# KiCad board Control_Unit.kicad_pcb
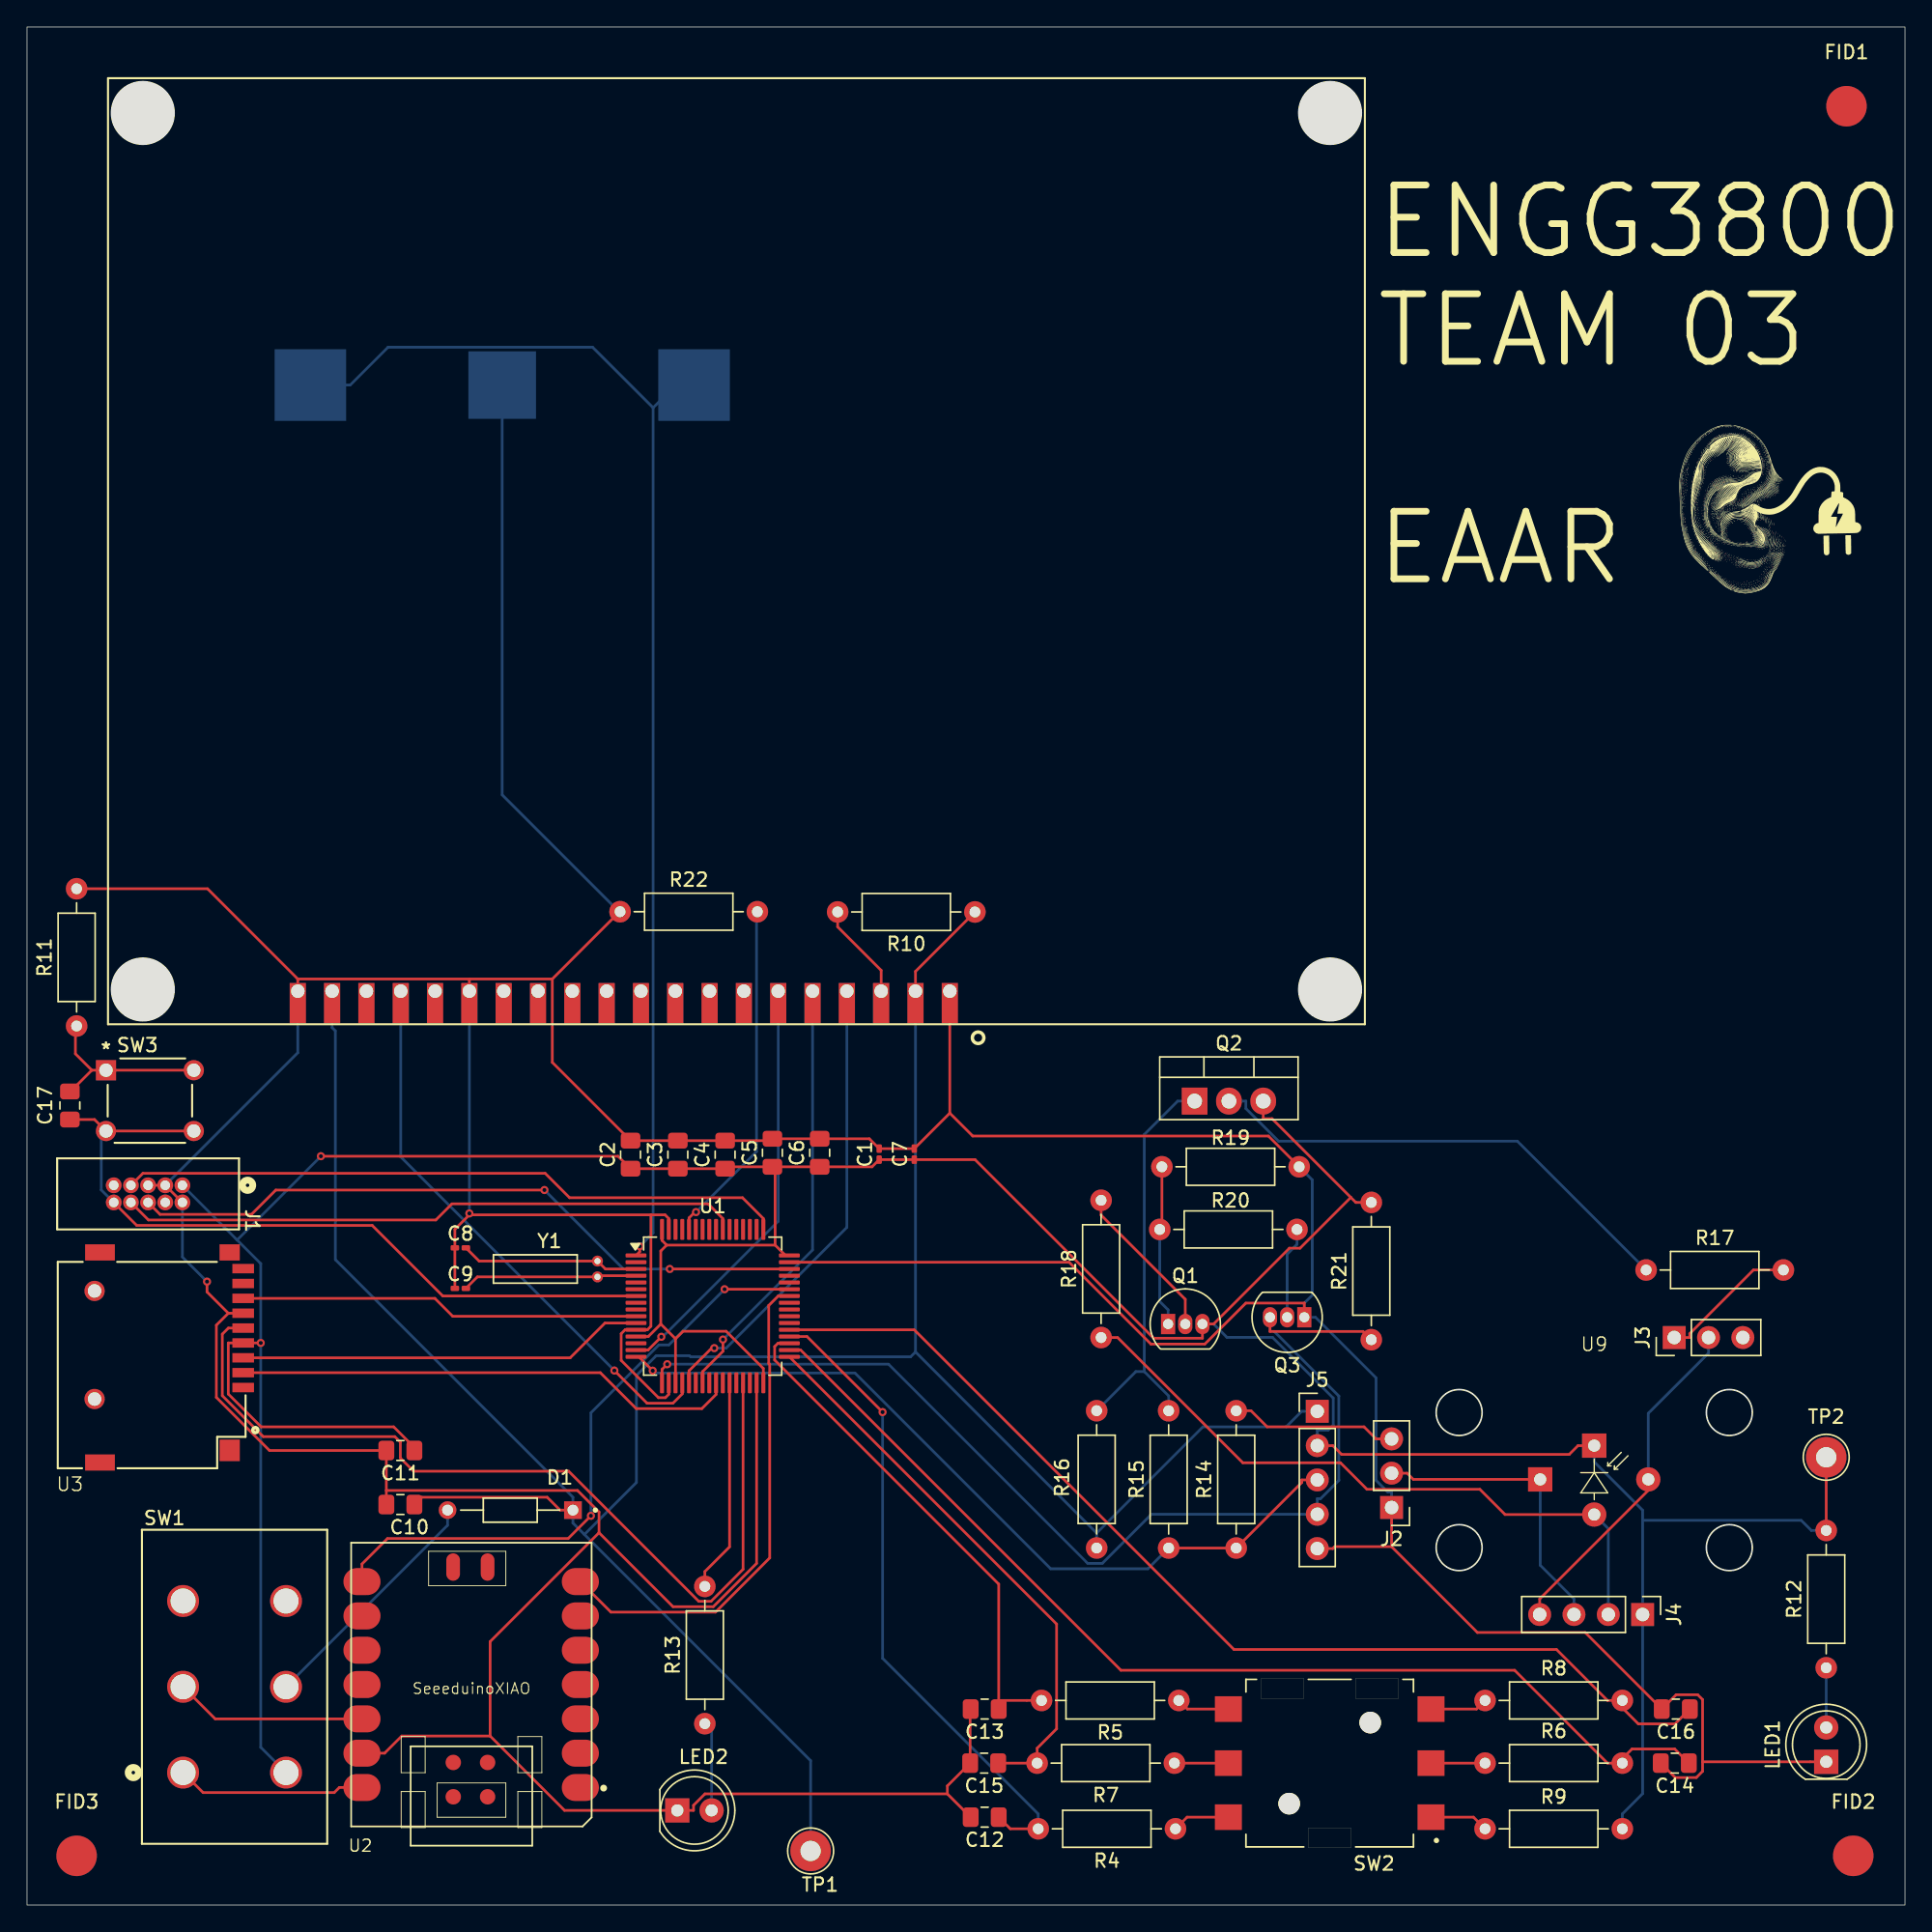
[diagram p0: board, top side]
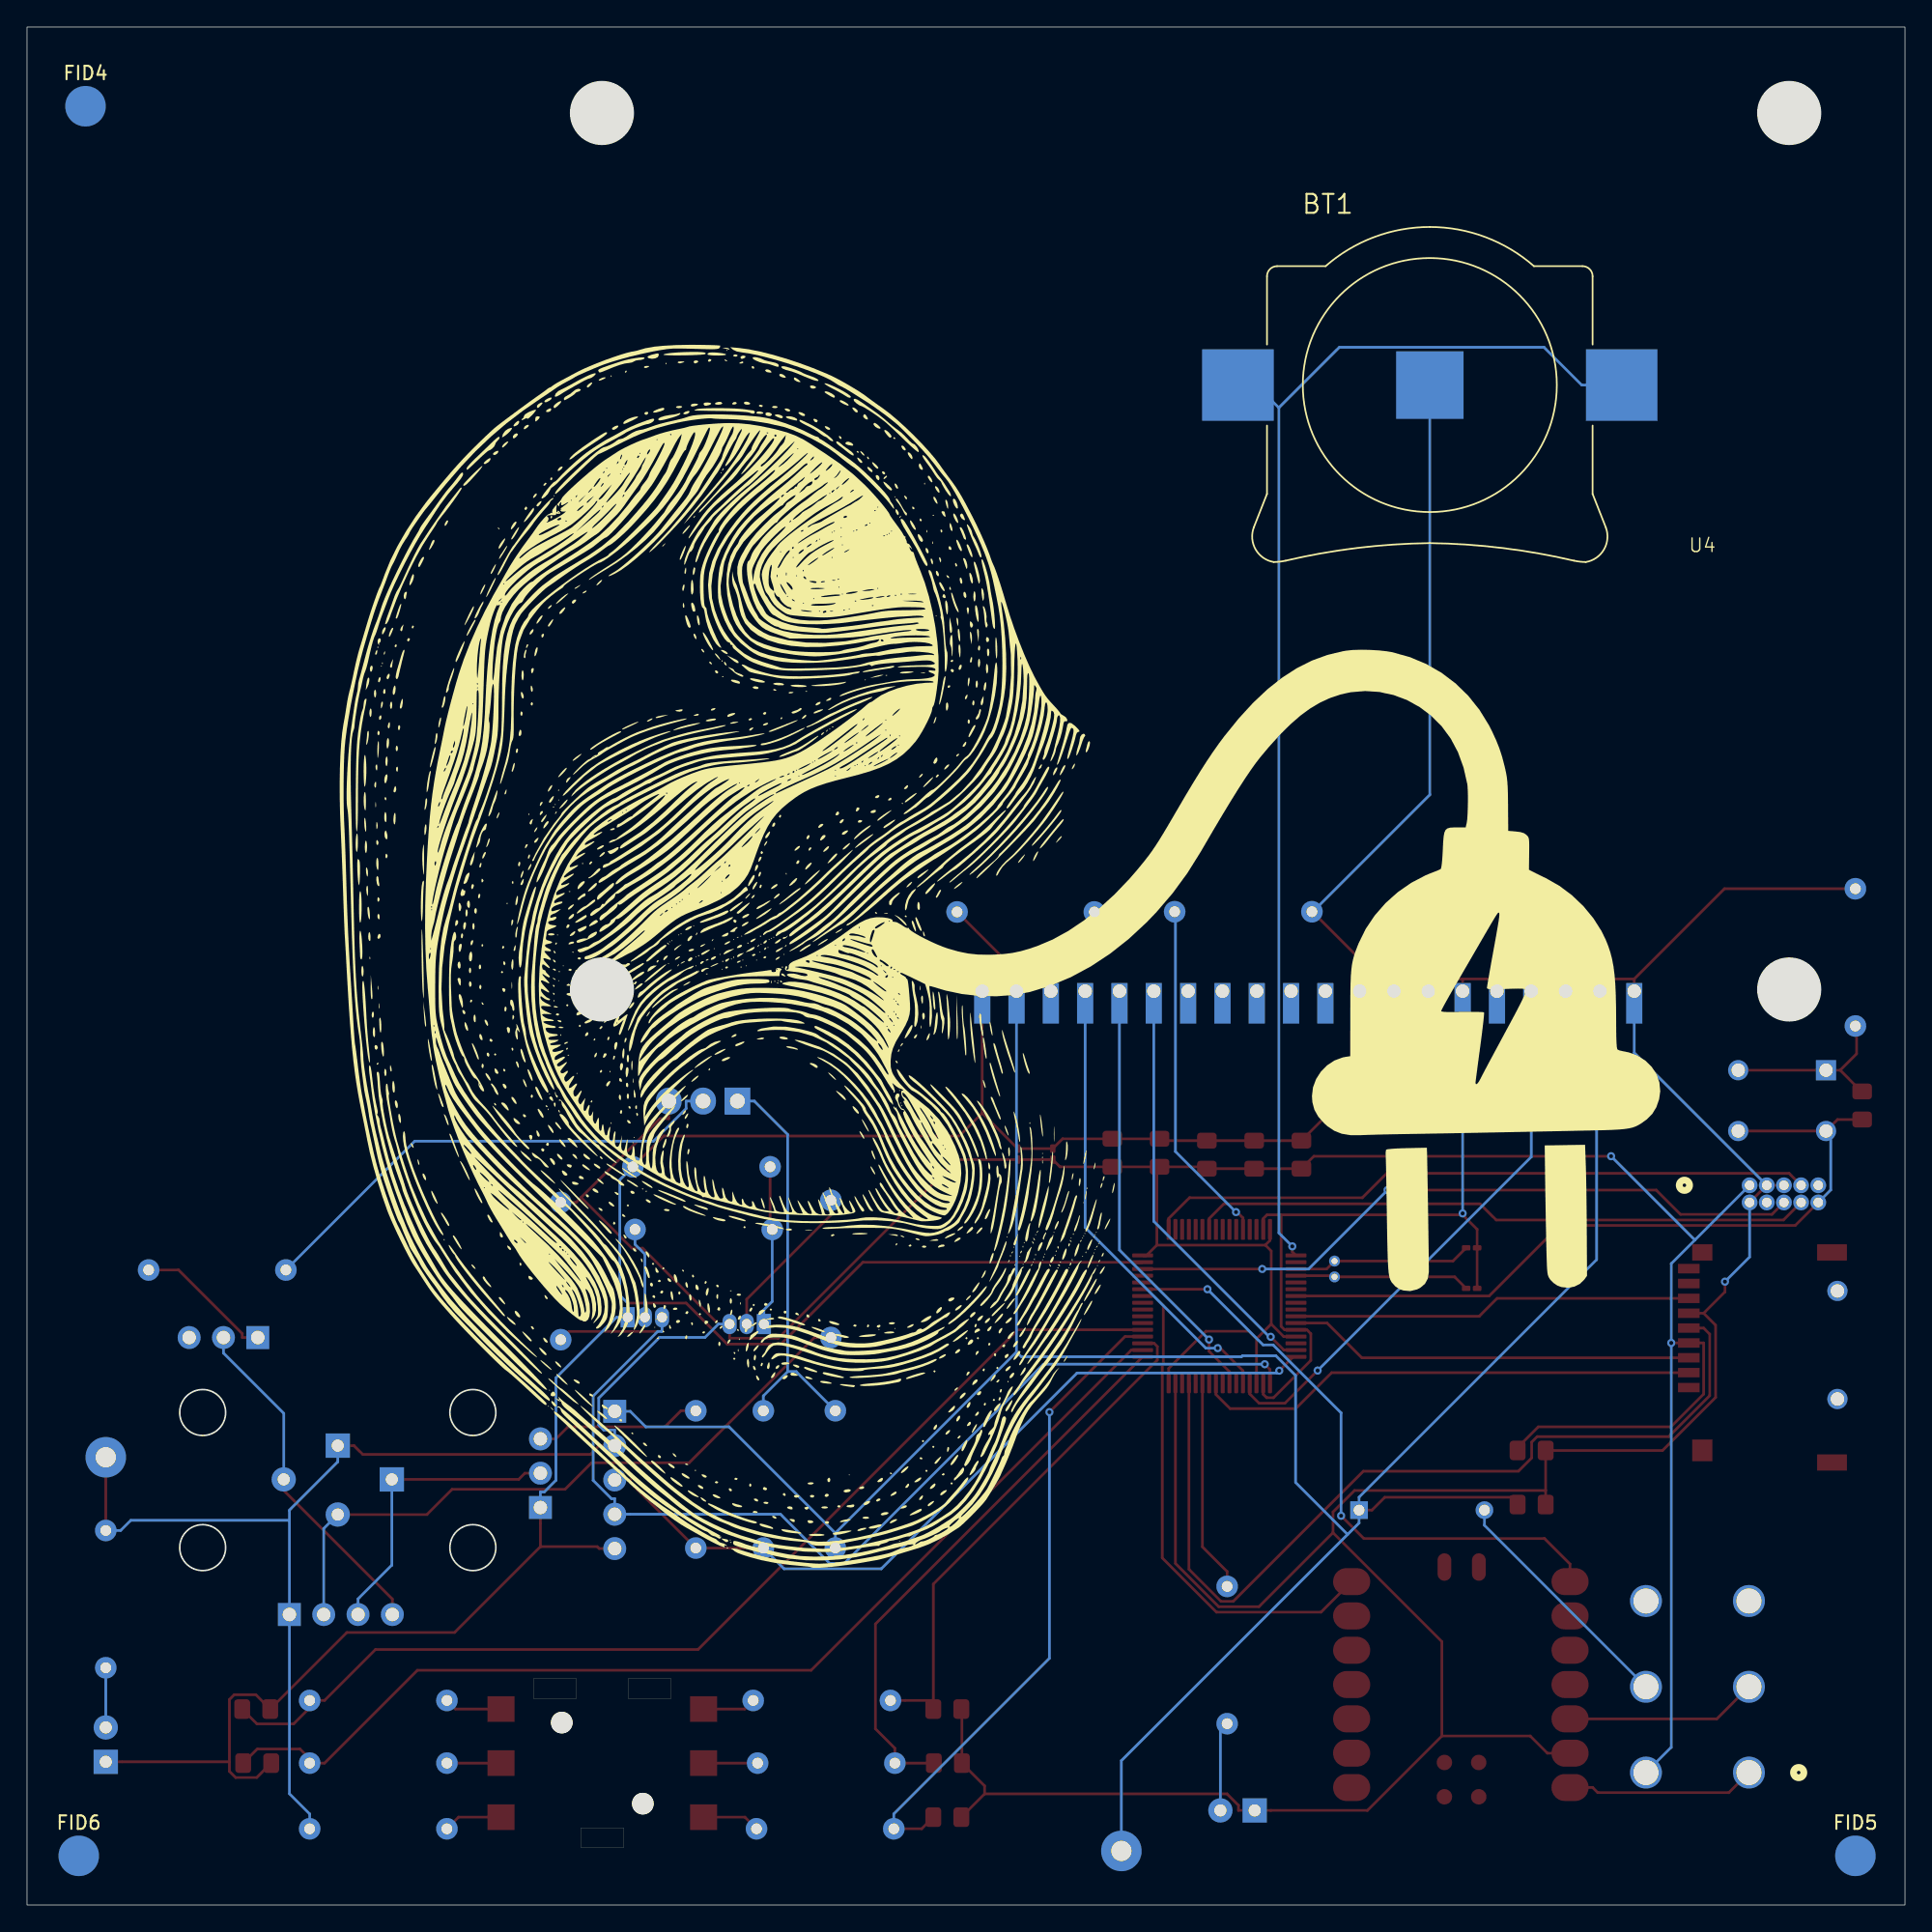
[diagram p1: board, bottom side, seen from below]

Outline 139 x 139 mm; copper layers: Top, Bottom. Coordinates in mm from the lower left corner of the outline.
Outline path: rectangle 0,139 139,0
Stack: Top 0.035mm / dielectric 1.51mm FR4 er 4.5 / Bottom 0.035mm

## Placement (name value [footprint] x y rotation side)
BT1  BHX1-2032-SM  [BAT_BHX1-2032-SM]  35.17 112.5 180 bottom
C1  4.7u 10% 10V X5R  [C_0201_0603Metric_Pad0.64x0.40mm_HandSolder]  63.08 55.57 90 top
C2  100n  [C_0805_2012Metric_Pad1.18x1.45mm_HandSolder]  44.67 55.54 90 top
C3  100n  [C_0805_2012Metric_Pad1.18x1.45mm_HandSolder]  48.17 55.54 90 top
C4  100n  [C_0805_2012Metric_Pad1.18x1.45mm_HandSolder]  51.67 55.54 90 top
C5  100n  [C_0805_2012Metric_Pad1.18x1.45mm_HandSolder]  55.17 55.68 90 top
C6  100n  [C_0805_2012Metric_Pad1.18x1.45mm_HandSolder]  58.67 55.68 90 top
C7  1UF  [C_0201_0603Metric_Pad0.64x0.40mm_HandSolder]  65.67 55.57 90 top
C8  1UF  [C_0201_0603Metric_Pad0.64x0.40mm_HandSolder]  32.08 48.64 0 top
C9  1UF  [C_0201_0603Metric_Pad0.64x0.40mm_HandSolder]  32.08 45.64 0 top
C10  10u  [C_0805_2012Metric_Pad1.18x1.45mm_HandSolder]  27.63 29.64 180 top
C11  10u  [C_0805_2012Metric_Pad1.18x1.45mm_HandSolder]  27.63 33.64 180 top
C12  100n  [C_0805_2012Metric_Pad1.18x1.45mm_HandSolder]  70.88 6.5 180 top
C13  100n  [C_0805_2012Metric_Pad1.18x1.45mm_HandSolder]  70.88 14.5 180 top
C14  100n  [C_0805_2012Metric_Pad1.18x1.45mm_HandSolder]  121.96 10.5 180 top
C15  100n  [C_0805_2012Metric_Pad1.18x1.45mm_HandSolder]  70.85 10.5 180 top
C16  100n  [C_0805_2012Metric_Pad1.18x1.45mm_HandSolder]  122.04 14.5 180 top
C17  100n  [C_0805_2012Metric_Pad1.18x1.45mm_HandSolder]  3.17 59.18 270 top
D1  7.5V 500mW 5%  [DIOAD928W47L399D179]  35.77 29.23 180 top
FID1  Fiducial  [Fiducial_3mm_Mask6mm_custom_reuben]  134.67 133.14 0 top
FID2  Fiducial  [Fiducial_3mm_Mask6mm_custom_reuben]  135.17 3.64 0 top
FID3  Fiducial  [Fiducial_3mm_Mask6mm_custom_reuben]  3.67 3.64 0 top
FID4  Fiducial  [Fiducial_3mm_Mask6mm_custom_reuben]  134.67 133.14 180 bottom
FID5  Fiducial  [Fiducial_3mm_Mask6mm_custom_reuben]  3.67 3.64 180 bottom
FID6  Fiducial  [Fiducial_3mm_Mask6mm_custom_reuben]  135.17 3.64 180 bottom
G***  LOGO  [EAAR-LOGO-SMALL]  128.78 103.36 0 top
G***#2  LOGO  [EAAR-LOGO]  68.79 70.57 180 bottom
J1  ETSG: 07-20-01  [CONN_3220-10-0100-00_CNC]  11.5 53.27 180 top
J2  Conn_01x03_Pin  [PinHeader_1x03_P2.54mm_Vertical]  101 29.42 180 top
J3  Conn_01x03_Pin  [PinHeader_1x03_P2.54mm_Vertical]  121.92 42 90 top
J4  Conn_01x04_Pin  [PinHeader_1x04_P2.54mm_Vertical]  119.58 21.5 270 top
J5  Conn_01x05_Pin  [PinHeader_1x05_P2.54mm_Vertical]  95.5 36.54 0 top
LED1  BLUE  [LED_D5.0mm_Clear]  133.17 10.6 90 top
LED2  GREEN  [LED_D5.0mm_Clear]  48.13 7 0 top
Q1  2N3904  [TO-92_Inline]  84.46 43 0 top
Q2  IRF9540N  [TO-220-3_Vertical]  86.42 59.5 0 top
Q3  2N3904  [TO-92_Inline]  94.54 43.5 180 top
R4  1K /0W125 / 100R / 0.125 Watt / 1%  [R_Axial_DIN0207_L6.3mm_D2.5mm_P10.16mm_Horizontal]  85.01 5.64 180 top
R5  1K /0W125 / 100R / 0.125 Watt / 1%  [R_Axial_DIN0207_L6.3mm_D2.5mm_P10.16mm_Horizontal]  85.25 15.14 180 top
R6  1K /0W125 / 100R / 0.125 Watt / 1%  [R_Axial_DIN0207_L6.3mm_D2.5mm_P10.16mm_Horizontal]  107.92 10.5 0 top
R7  1K /0W125 / 100R / 0.125 Watt / 1%  [R_Axial_DIN0207_L6.3mm_D2.5mm_P10.16mm_Horizontal]  84.92 10.5 180 top
R8  1K /0W125 / 100R / 0.125 Watt / 1%  [R_Axial_DIN0207_L6.3mm_D2.5mm_P10.16mm_Horizontal]  107.92 15.14 0 top
R9  100R /0W125 / 100R / 0.125 Watt / 1%  [R_Axial_DIN0207_L6.3mm_D2.5mm_P10.16mm_Horizontal]  107.92 5.64 0 top
R10  1.2K  [R_Axial_DIN0207_L6.3mm_D2.5mm_P10.16mm_Horizontal]  70.16 73.5 180 top
R11  1K 1% 0W125 100R  [R_Axial_DIN0207_L6.3mm_D2.5mm_P10.16mm_Horizontal]  3.67 65.06 90 top
R12  20R 1% 0.100W  [R_Axial_DIN0207_L6.3mm_D2.5mm_P10.16mm_Horizontal]  133.17 17.56 90 top
R13  62R 5% 0.100W  [R_Axial_DIN0207_L6.3mm_D2.5mm_P10.16mm_Horizontal]  50.17 13.42 90 top
R14  15R  [R_Axial_DIN0207_L6.3mm_D2.5mm_P10.16mm_Horizontal]  89.5 26.42 90 top
R15  100R  [R_Axial_DIN0207_L6.3mm_D2.5mm_P10.16mm_Horizontal]  84.5 26.42 90 top
R16  10K  [R_Axial_DIN0207_L6.3mm_D2.5mm_P10.16mm_Horizontal]  79.17 36.58 270 top
R17  15R  [R_Axial_DIN0207_L6.3mm_D2.5mm_P10.16mm_Horizontal]  119.84 47 0 top
R18  1K  [R_Axial_DIN0207_L6.3mm_D2.5mm_P10.16mm_Horizontal]  79.5 42 90 top
R19  1K  [R_Axial_DIN0207_L6.3mm_D2.5mm_P10.16mm_Horizontal]  94.16 54.64 180 top
R20  100  [R_Axial_DIN0207_L6.3mm_D2.5mm_P10.16mm_Horizontal]  83.84 50 0 top
R21  1K  [R_Axial_DIN0207_L6.3mm_D2.5mm_P10.16mm_Horizontal]  99.5 41.84 90 top
R22  10K  [R_Axial_DIN0207_L6.3mm_D2.5mm_P10.16mm_Horizontal]  43.9 73.52 0 top
SW1  S201031MS02Q  [SW6_S201031MS02Q_CNK]  11.55 9.8 180 top
SW2  JS5208  [SW_JS5208]  96.42 10.5 180 top
SW3  1825910-6  [SW4_1825910-B_TEC]  12.34 57.29 0 top
TP1  TestPoint  [TestPoint_Loop_D2.54mm_Drill1.5mm_Beaded]  58 4 0 top
TP2  TestPoint  [TestPoint_Loop_D2.54mm_Drill1.5mm_Beaded]  133.17 33.14 0 top
U1  STM32L431RCT6  [LQFP-64_10x10mm_P0.5mm]  50.75 44.32 0 top
U2  SeeeduinoXIAO  [Seeeduino XIAO-MOUDLE14P-2.54-21X17.8MM]  41.79 26.81 180 top
U3  ~  [SD_Card]  9.5 40 270 top
U4  ~  [LCD]  51.17 100.14 0 top
U9  ~  [OPTIC3800T3]  116 41.5 0 top
Y1  AB26T-32.768KHZ  [XTAL_AB26T-32.768KHZ]  42.22 47.07 0 top

## Library data of the parts
BT1 = -: PARTREV: L; STANDARD: Manufacturer Recommendations; MAXIMUM_PACKAGE_HEIGHT: 4.32 mm; MANUFACTURER: MPD
C1 = -: Description: 4.7u; Field5: 10%; Field6: 10V; Field7: X5R; ki_fp_filters: C_*
C2-C6 C12-C16 = -: Description: ETSG: 64-04-12; Field6: 10%; Field7: 50V; Field8: X7R; ki_fp_filters: C_*
C7 = -: Description: 1uF; Field5: 10%; Field6: 50V; Field7: X7R; ki_fp_filters: C_*
C8 C9 = -: Description: 1uF /10% /50V /X7R; ki_fp_filters: C_*
C10 C11 = -: Description: Unpolarized capacitor; Field5: 10uF; Field6: 10%; Field7: 16V; Field8: X5R; ki_fp_filters: C_*
C17 = -: Description: ETSG: 64-04-12; Field5: 100n /10% /50V /X7R; ki_fp_filters: C_*
D1 = -: Description: ETSG: 04-61-01; PARTREV: G1804; MANUFACTURER: Taiwan Semiconductor; MAXIMUM_PACKAGE_HEIGHT: 2.28 mm; STANDARD: IPC-7351B
FID1-FID6 = -: Description: Fiducial Marker; ki_fp_filters: Fiducial*
J1 = -: Datasheet: 3220-10-0100-00; Description: J-Link Connector; Field5: 10 pins / 1.27mm / Box Header / Surface Mount; ki_fp_filters: CONN_3220-10-0100-00_CNC
J2 J3 = -: Description: Generic connector, single row, 01x03, script generated; ki_fp_filters: Connector*:*_1x??_*
J4 = -: Description: Generic connector, single row, 01x04, script generated; ki_fp_filters: Connector*:*_1x??_*
J5 = -: Description: Generic connector, single row, 01x05, script generated; ki_fp_filters: Connector*:*_1x??_*
LED1 LED2 = -: Description: Light emitting diode; Sim.Pins: 1=K 2=A; ki_fp_filters: LED* LED_SMD:* LED_THT:*
Q1 Q3 = -: Datasheet: https://www.onsemi.com/pub/Collateral/2N3903-D.PDF; Description: 0.2A Ic, 40V Vce, Small Signal NPN Transistor, TO-92; ki_fp_filters: TO?92*
Q2 = -: Datasheet: http://www.irf.com/product-info/datasheets/data/irf9540n.pdf; Description: -23A Id, -100V Vds, 117mOhm Rds, P-Channel HEXFET Power MOSFET, TO-220; ki_fp_filters: TO?220*
R4-R22 = -: Description: Resistor, US symbol; ki_fp_filters: R_*
SW1 = -: ki_fp_filters: SW6_S201031MS02Q_CNK
SW2 = -: PARTREV: D; MANUFACTURER: E-Switch; MAXIMUM_PACKAGE_HEIGHT: 12.6 mm; STANDARD: Manufacturer Recommendations
SW3 = -: ki_fp_filters: SW4_1825910-B_TEC
TP1 TP2 = -: Description: test point; ki_fp_filters: Pin* Test*
U1 = -: Datasheet: https://www.st.com/resource/en/datasheet/stm32l431rc.pdf; Description: STMicroelectronics Arm Cortex-M4 MCU, 256KB flash, 64KB RAM, 80 MHz, 1.71-3.6V, 52 GPIO, LQFP64; ki_fp_filters: LQFP*10x10mm*P0.5mm*
U3 = -: Description: ETSG: 08-70-02; Field 5: Micro SD Connector; Field6: Push-Push / SMT / SMD /Top board mounting
U4 = -: Description: LCD Display; Field6: ETSG:  24-05-03; Field5: 128x64 / ST7920 / White on Blue
Y1 = -: PARTREV: 06.29.10; STANDARD: IPC-7351B; MAXIMUM_PACKAGE_HEIGHT: 2.1 mm; MANUFACTURER: Abracon

## Footprints (pads in the part's own frame, mm; a bottom-side part is the same pattern mirrored in y, then rotated)
BAT_BHX1-2032-SM
  rect 5x5 smd: -(0,0)
  rect 5.3x5.3 smd: S+1(-14.2,0) S+2(14.2,0)
C_0201_0603Metric_Pad0.64x0.40mm_HandSolder
  rrect 0.458x0.36 smd: (-0.432,0) (0.432,0)
  rrect 0.635x0.4 smd: 1(-0.407,0) 2(0.407,0)
C_0805_2012Metric_Pad1.18x1.45mm_HandSolder
  rrect 1.175x1.45 smd: 1(-1.038,0) 2(1.038,0)
CONN_3220-10-0100-00_CNC
  round 1.168 hole 0.711: 1(0,0) 2(0,1.27) 3(1.27,0) 4(1.27,1.27) 5(2.54,0) 6(2.54,1.27) 7(3.81,0) 8(3.81,1.27) 9(5.08,0) 10(5.08,1.27)
DIOAD928W47L399D179
  round 1.308 hole 0.8: A(4.64,0)
  rect 1.308x1.308 hole 0.8: C(-4.64,0)
Fiducial_3mm_Mask6mm_custom_reuben
  round 3 smd: (0,0)
LCD
  rect 1.2x3 hole 1: 1(17.13,-32.5) 2(14.59,-32.5) 3(12.05,-32.5) 4(9.51,-32.5) 5(6.97,-32.5) 6(4.43,-32.5) 7(1.89,-32.5) 8(-0.65,-32.5) 9(-3.19,-32.5) 10(-5.73,-32.5) 11(-8.27,-32.5) 12(-10.81,-32.5) 13(-13.35,-32.5) 14(-15.89,-32.5) 15(-18.43,-32.5) 16(-20.97,-32.5) 17(-23.51,-32.5) 18(-26.05,-32.5) 19(-28.59,-32.5) 20(-31.13,-32.5)
LED_D5.0mm_Clear
  rect 1.8x1.8 hole 0.9: 1(0,0)
  round 1.8 hole 0.9: 2(2.54,0)
LQFP-64_10x10mm_P0.5mm
  rrect 1.55x0.3 smd: 1(-5.675,3.75) 2(-5.675,3.25) 3(-5.675,2.75) 4(-5.675,2.25) 5(-5.675,1.75) 6(-5.675,1.25) 7(-5.675,0.75) 8(-5.675,0.25) 9(-5.675,-0.25) 10(-5.675,-0.75) 11(-5.675,-1.25) 12(-5.675,-1.75) 13(-5.675,-2.25) 14(-5.675,-2.75) 15(-5.675,-3.25) 16(-5.675,-3.75) 33(5.675,-3.75) 34(5.675,-3.25) 35(5.675,-2.75) 36(5.675,-2.25) 37(5.675,-1.75) 38(5.675,-1.25) 39(5.675,-0.75) 40(5.675,-0.25) 41(5.675,0.25) 42(5.675,0.75) 43(5.675,1.25) 44(5.675,1.75) 45(5.675,2.25) 46(5.675,2.75) 47(5.675,3.25) 48(5.675,3.75)
  rrect 0.3x1.55 smd: 17(-3.75,-5.675) 18(-3.25,-5.675) 19(-2.75,-5.675) 20(-2.25,-5.675) 21(-1.75,-5.675) 22(-1.25,-5.675) 23(-0.75,-5.675) 24(-0.25,-5.675) 25(0.25,-5.675) 26(0.75,-5.675) 27(1.25,-5.675) 28(1.75,-5.675) 29(2.25,-5.675) 30(2.75,-5.675) 31(3.25,-5.675) 32(3.75,-5.675) 49(3.75,5.675) 50(3.25,5.675) 51(2.75,5.675) 52(2.25,5.675) 53(1.75,5.675) 54(1.25,5.675) 55(0.75,5.675) 56(0.25,5.675) 57(-0.25,5.675) 58(-0.75,5.675) 59(-1.25,5.675) 60(-1.75,5.675) 61(-2.25,5.675) 62(-2.75,5.675) 63(-3.25,5.675) 64(-3.75,5.675)
OPTIC3800T3
  rect 1.8x1.8 hole 0.9: 1(0,-7.5) 3(-4,-10)
  round 1.8 hole 0.9: 2(0,-12.6) 4(4,-10)
PinHeader_1x03_P2.54mm_Vertical
  rect 1.7x1.7 hole 1: 1(0,0)
  oval 1.7x1.7 hole 1: 2(0,-2.54) 3(0,-5.08)
PinHeader_1x04_P2.54mm_Vertical
  rect 1.7x1.7 hole 1: 1(0,0)
  oval 1.7x1.7 hole 1: 2(0,-2.54) 3(0,-5.08) 4(0,-7.62)
PinHeader_1x05_P2.54mm_Vertical
  rect 1.7x1.7 hole 1: 1(0,0)
  oval 1.7x1.7 hole 1: 2(0,-2.54) 3(0,-5.08) 4(0,-7.62) 5(0,-10.16)
R_Axial_DIN0207_L6.3mm_D2.5mm_P10.16mm_Horizontal
  round 1.6 hole 0.8: 1(0,0)
  oval 1.6x1.6 hole 0.8: 2(10.16,0)
SD_Card
  rect 0.7x1.6 smd: 1(1.7,6.5) 2(0.6,6.5) 3(-0.5,6.5) 4(-1.6,6.5) 5(-2.7,6.5) 6(-3.8,6.5) 7(-4.9,6.5) 8(-6,6.5) Cd(-7.1,6.5)
  round 1.5 hole 1: 10(-5.45,-4.5) 11(2.55,-4.5)
  rect 1.2x1.5 smd: GND(-8.3,5.5)
  rect 1.2x2.2 smd: GND(-8.3,-4.1) GND(7.25,-4.1)
  rect 1.6x1.5 smd: GND(6.35,5.5)
Seeeduino XIAO-MOUDLE14P-2.54-21X17.8MM
  oval 2.748x1.999 smd: 1(0.833,18.118) 2(0.833,15.578) 3(0.833,13.038) 4(0.833,10.498) 5(0.833,7.958) 6(0.833,5.418) 7(0.833,2.878) 8(16.998,2.878) 9(16.998,5.418) 10(16.998,7.958) 11(16.998,10.498) 12(16.998,13.038) 13(16.998,15.578) 14(16.998,18.118)
  oval 1.016x2.032 smd: 15(7.7,1.8) 16(10.25,1.8)
  round 1.143 smd: 17(7.699,18.804) 18(10.239,18.804) 19(7.699,16.264) 20(10.239,16.264)
SW4_1825910-B_TEC
  rect 1.499x1.499 hole 0.991: 1(-6.5,4.5)
  round 1.499 hole 0.991: 2(0,4.5) 3(-6.5,0) 4(0,0)
SW6_S201031MS02Q_CNK
  round 2.362 hole 1.854: 1(0,0) 2(0,-6.35) 3(0,-12.7) 4(-7.62,0) 5(-7.62,-6.35) 6(-7.62,-12.7)
SW_JS5208
  round 1.6 hole 1.6 unplated: (-3,-3) (3,3)
  rect 2x1.9 smd: 1(-7.5,4) 2(-7.5,0) 3(-7.5,-4) 4(7.5,4) 5(7.5,0) 6(7.5,-4)
TestPoint_Loop_D2.54mm_Drill1.5mm_Beaded
  round 3 hole 1.5: 1(0,0)
TO-92_Inline
  rect 1.05x1.5 hole 0.75: 1(0,0)
  oval 1.05x1.5 hole 0.75: 2(1.27,0) 3(2.54,0)
TO-220-3_Vertical
  rect 1.905x2 hole 1.1: 1(0,0)
  oval 1.905x2 hole 1.1: 2(2.54,0) 3(5.08,0)
XTAL_AB26T-32.768KHZ
  round 0.81 hole 0.46: 1(0,0.585) 2(0,-0.585)

## Nets
+3.3V: J3.3
+3V3: C1.1 C2.1 C3.1 C4.1 C5.1 C6.1 C7.1 C11.1 J1.1 J4.1 J5.2 Q1.3 Q2.3 R9.2 R12.2 R21.2 SW1.4 TP2.1 U1.13 U1.19 U1.32 U1.48 U1.64 U3.4 U9.1
+5V: C10.1 D1.C J5.1 R10.1 R16.2 TP1.1 U4.2 U4.19
GND: BT1.- C1.2 C2.2 C3.2 C4.2 C5.2 C6.2 C7.2 C8.1 C9.1 C10.2 C11.2 C12.2 C13.2 C14.2 C15.2 C16.2 J1.2 J1.3 J1.5 J2.1 J5.5 LED1.1 LED2.1 Q3.1 R11.2 R19.1 R22.1 U1.12 U1.18 U1.31 U1.47 U1.63 U2.13 U3.6 U4.1 U4.15 U4.20
/Joy and Sd and LCD/Button_Down: R5.1 SW2.6
/Joy and Sd and LCD/Button_Left: R6.1 SW2.2
/Joy and Sd and LCD/Button_Push: R8.1 SW2.3
/Joy and Sd and LCD/Button_Right: R7.1 SW2.5
/Joy and Sd and LCD/Button_Up: R4.1 SW2.4
/Optical Link/FD_AN: J4.2 R18.1 U9.2
/Optical Link/LED_AN: J3.2 J4.4 U9.4
/Optical Link/LED_CA: J2.2 J4.3 U9.3
Btn_Down: C13.1 R5.2 U1.35
Btn_Left: C14.1 R6.2 U1.34
Btn_Push: C16.1 R8.2 U1.37
Btn_Right: C15.1 R7.2 U1.33
Btn_Up: C12.1 R4.2 U1.36
JLink_CLK: J1.7 U1.49
JLink_RST: C17.2 J1.10 SW3.3 SW3.4 U1.7
JLink_SW0: J1.8 U1.55
JLink_SWDIO: J1.6 U1.46
LCD_E: U1.15 U4.6
LCD_R/W: U1.23 U4.5
LCD_RS: U1.21 U4.4
LCD_RST: U1.20 U4.17
RX_OPTICAL: J5.4 Q3.3 R21.1 U1.17
SAMPLING_LED: R13.2 U1.27
SD_CH0: U1.11 U3.3
SD_CLK: U1.29 U3.5
SD_CS: U1.25 U3.2
SD_D0: U1.10 U3.7
STM_RX: U1.43 U2.8
STM_TX: U1.42 U2.7
TX_OPTICAL: J5.3 R14.1 R15.1 U1.16
Net-(C17-Pad1): C17.1 R11.1 SW3.1 SW3.2
Net-(D1-PadA): D1.A SW1.5
Net-(J2-Pin_3): J2.3 R14.2
Net-(J3-Pin_1): J3.1 R17.2
Net-(LED1-A): LED1.2 R12.1
Net-(LED2-A): LED2.2 R13.1
Net-(Q1-B): Q1.2 R18.2
Net-(Q1-E): Q1.1 R19.2 R20.1
Net-(Q2-D): Q2.2 R17.1
Net-(Q2-G): Q2.1 R15.2 R16.1
Net-(Q3-B): Q3.2 R20.2
Net-(R9-Pad1): R9.1 SW2.1
Net-(SW1-Pad1): SW1.1 U2.14
Net-(U1-PC14): C8.2 U1.3 Y1.1
Net-(U1-PC15): C9.2 U1.4 Y1.2
Net-(U1-PH3): R22.2 U1.60
Net-(U1-VBAT): BT1.S+1 BT1.S+2 U1.1
Net-(U2-3V3): SW1.2 U2.12
Net-(U4-V0): R10.2 U4.3

Pads without a net: J1 4 9; SW1 3 6; U1 2 5 6 8 9 14 22 24 26 28 30 38 39 40 41 44 45 50 51 52 53 54 56 57 58 59 61 62; U2 1 2 3 4 5 6 9 10 11 15 16 17 18 19 20; U3 1 8 10 11 Cd GND; U4 7 8 9 10 11 12 13 14 16 18

## Via types
v1: diameter 0.6, hole 0.3, Top to Bottom, 17 vias

## Routing (per net, layer and track width the routed paths; a pad name or vN(x,y) marks a point on that pad's centre or on a via; arc(x,y) is an arc through that point)
+3V3: length 302.1
  Top w0.2: 55.37,54.44 55.37,48.84 ; 55.37,54.44 C5.1 51.81,54.64 C4.1 C3.1 C2.1 43.75,55.42 v1(21.75,55.42) ; 55.37,54.44 55.57,54.64 C6.1 62.55,54.64 C1.1 C7.1 70.17,55.17 83.39,41.95 87,41.95 Q1.3 87.83,43 93.44,48.61 94.23,48.61 97.98,52.37 ; 55.37,48.84 56.14,48.07 U1.48 ; 55.37,48.84 47.34,48.84 ; U1.64 47,49.19 47.34,48.84 ; 47.34,48.84 46.91,48.41 46.91,43 ; Q2.3 91.5,58.2 92.15,58.2 97.98,52.37 ; v1(17.3,41.6) U3.4 14.9,41.6 14.9,37.82 17.33,35.39 27.14,35.39 28.67,33.86 C11.1 ; 97.98,52.37 98.35,52 R21.2 ; 48,41.91 48.56,42.47 51.75,42.47 54.5,39.71 U1.32 ; 48,41.91 46.91,43 ; 48,41.91 U1.19 ; 46.91,43 45.99,42.07 U1.13 ; U9.1 114.8,34 114.15,33.35 97.3,33.35 96.65,34 J5.2 ; TP2.1 R12.2
  Bottom w0.2: 119.58,28.47 J4.1 119.58,8.24 118.08,6.74 R9.2 ; 119.58,28.47 119.58,29.22 116,32.8 U9.1 ; 119.58,28.47 131.32,28.47 132.07,27.72 R12.2 ; SW1.4 17.3,11.67 v1(17.3,41.6) 17.3,47.47 15.55,49.22 ; J5.2 95.5,35.15 96.31,35.15 96.68,35.52 96.68,37.52 92.19,42.01 88.82,42.01 87.83,43 Q1.3 ; J1.1 15.55,49.22 ; 15.55,49.22 v1(21.75,55.42)
+5V: length 200
  Top w0.2: U4.2 65.76,69.1 R10.1 ; D1.C 39.45,29.23 38.5,30.18 29.21,30.18 C10.1
  Bottom w0.2: U4.2 65.76,40.93 ; 65.76,40.93 79.17,27.52 ; 65.76,40.93 65.4,40.58 49.11,40.58 49.04,40.65 46.56,40.65 45.11,39.2 45.11,31.27 41.26,27.42 ; 79.17,27.52 87.04,35.39 93.2,35.39 94.35,36.54 J5.1 ; 79.17,27.52 R16.2 ; 41.26,27.42 40.41,28.27 D1.C 40.41,30.18 22.82,47.76 22.82,64.7 22.58,64.94 U4.19 ; 41.26,27.42 58,10.68 TP1.1
GND: length 527.4
  Top w0.2: 20.04,68.54 13.36,75.22 R11.2 ; 20.04,68.54 32.74,68.54 ; 20.04,68.54 U4.20 ; U4.1 68.3,58.61 ; 68.3,58.61 70,56.92 91.88,56.92 R19.1 ; 68.3,58.61 C7.2 C1.2 62.34,56.71 55.17,56.71 55.03,56.57 C4.2 C3.2 C2.2 38.88,62.37 38.88,68.54 ; J1.5 J1.3 J1.2 ; 101,26.52 107.35,20.17 115.33,20.17 C16.2 122.06,15.56 123.66,15.56 124.02,15.2 124.02,10.6 ; 101,26.52 96.79,26.52 96.65,26.38 J5.5 ; 101,26.52 J2.1 ; U1.31 54,25.28 50.79,22.08 47.82,22.08 42.34,27.55 ; Q3.1 94.54,44.55 90.21,44.55 87.18,41.52 83.19,41.52 77.13,47.57 U1.47 ; 46.18,51.08 47.22,51.08 47.5,50.81 U1.63 ; 46.18,51.08 46.18,42.83 45.92,42.57 U1.12 44.27,42.57 43.98,42.28 43.98,40.31 46.74,37.55 47.25,37.55 47.5,37.8 U1.18 ; 46.18,51.08 32.74,51.08 ; 32.74,68.54 U4.15 ; 32.74,68.54 38.88,68.54 ; 26.6,30.68 40.74,30.68 42.34,29.09 42.34,27.55 ; 26.6,30.68 26.6,33.64 17.95,33.64 14.02,37.57 14.02,42.92 14.9,43.8 ; 26.6,30.68 26.6,29.64 ; 124.02,10.6 124.02,9.89 123.56,9.43 121.99,9.43 C14.2 ; 124.02,10.6 LED1.1 ; 34.28,12.51 27.74,12.51 26.47,11.24 U2.13 ; 34.28,12.51 34.28,19.5 42.34,27.55 ; 34.28,12.51 39.78,7 LED2.1 49.33,7 49.33,7.37 50.18,8.22 68.12,8.22 ; 32.74,51.08 v1(32.74,51.19) ; 32.74,51.08 31.67,50.01 C8.1 C9.1 ; 38.88,68.54 43.84,73.5 ; 68.12,8.22 C12.2 ; 68.12,8.22 68.12,8.81 C15.2 69.81,14.46 C13.2 ; v1(13.32,46.14) 13.32,45.38 14.9,43.8 ; 14.9,43.8 U3.6
  Bottom w0.2: 43.84,73.5 35.17,82.17 BT1.- ; J1.3 20.04,63.08 U4.20 ; v1(13.32,46.14) 11.5,47.96 J1.2 ; J2.1 101,30.57 100.71,30.57 99.85,31.43 99.85,39.02 95.37,43.5 Q3.1 94.54,44.55 95.13,45.14 95.13,53.67 R19.1 ; U4.15 v1(32.74,51.19)
/Joy and Sd and LCD/Button_Down: length 3.9
  Top w0.2: SW2.6 85.89,14.5 R5.1
/Joy and Sd and LCD/Button_Left: length 4
  Top w0.2: SW2.2 R6.1
/Joy and Sd and LCD/Button_Push: length 4.3
  Top w0.2: SW2.3 107.28,14.5 R8.1
/Joy and Sd and LCD/Button_Right: length 4
  Top w0.2: SW2.5 R7.1
/Joy and Sd and LCD/Button_Up: length 4.3
  Top w0.2: R4.1 85.87,6.5 SW2.4
/Optical Link/FD_AN: length 49.8
  Top w0.2: U9.2 109.4,28.9 107.53,30.77 99.18,30.77 97.22,32.73 89.99,32.73 80.72,42 R18.1
  Bottom w0.2: U9.2 117.04,27.86 J4.2
/Optical Link/LED_AN: length 25.7
  Top w0.2: J4.4 111.96,22.65 120,30.69 U9.4
  Bottom w0.2: J3.2 124.46,40.85 120,36.39 U9.4
/Optical Link/LED_CA: length 22.2
  Top w0.2: U9.3 102.61,31.5 102.15,31.96 J2.2
  Bottom w0.2: U9.3 112,25.15 114.5,22.65 J4.3
Btn_Down: length 38.1
  Top w0.2: U1.35 55.58,41.57 55.34,41.33 55.34,40.33 71.92,23.75 71.92,15.14 ; R5.2 71.92,15.14 ; 71.92,15.14 C13.1
Btn_Left: length 80.4
  Top w0.2: U1.34 57.26,41.07 80.96,17.37 110.11,17.37 116.98,10.5 117.75,10.5 ; C14.1 121.95,11.55 118.79,11.55 117.75,10.5 ; 117.75,10.5 R6.2
Btn_Push: length 79.7
  Top w0.2: U1.37 65.67,42.57 89.33,18.91 113.21,18.91 116.98,15.14 117.53,15.14 ; C16.1 121.98,13.41 119.26,13.41 117.53,15.14 ; 117.53,15.14 R8.2
Btn_Right: length 41.7
  Top w0.2: C15.1 R7.2 74.77,11.6 76.21,13.04 76.21,20.79 U1.33
Btn_Up: length 48.1
  Top w0.2: U1.36 57.73,42.07 v1(63.33,36.48) ; R4.2 72.78,5.64 C12.1
  Bottom w0.2: v1(63.33,36.48) 63.33,18.26 74.85,6.74 R4.2
JLink_CLK: length 49.4
  Top w0.2: U1.49 54.5,50.81 52.96,52.35 40.16,52.35 38.35,54.16 8.58,54.16 7.69,53.27
JLink_RST: length 56.9
  Top w0.2: C17.2 4.99,58.14 SW3.3 SW3.4 ; J1.10 8.12,50.3 25.55,50.3 30.78,45.07 U1.7
  Bottom w0.2: J1.10 5.49,52.93 5.49,56.93 SW3.3
JLink_SW0: length 46.1
  Top w0.2: 7.69,52 8.99,50.7 30.26,50.7 31.45,51.89 50.42,51.89 51.5,50.81 U1.55
JLink_SWDIO: length 51
  Top w0.2: v1(38.3,52.92) 18.42,52.92 16.61,51.12 9.84,51.12 J1.6 ; U1.46 v1(47.58,47.07)
  Bottom w0.2: v1(38.3,52.92) 44.14,47.07 v1(47.58,47.07)
LCD_E: length 31.6
  Top w0.2: v1(46.95,42.05) 45.97,41.07 U1.15
  Bottom w0.2: U4.6 55.6,50.61 46.95,41.95 v1(46.95,42.05)
LCD_R/W: length 32.4
  Top w0.2: U1.23 50,39.48 51.51,40.99 v1(51.51,41.85)
  Bottom w0.2: U4.5 58.14,48.48 v1(51.51,41.85)
LCD_RS: length 34.5
  Top w0.2: U1.21 49,39.54 50.67,41.22 v1(50.87,41.22)
  Bottom w0.2: v1(50.87,41.22) 51.75,41.22 60.68,50.15 U4.4
LCD_RST: length 41.8
  Top w0.2: v1(43.47,39.56) 45.89,37.14 47.8,37.14 48.5,37.83 U1.20
  Bottom w0.2: v1(43.47,39.56) 27.66,55.37 U4.17
RX_OPTICAL: length 83.7
  Top w0.2: v1(47.39,40.03) 47,39.64 U1.17 ; R21.1 98.89,42.45 92,42.45 Q3.3
  Bottom w0.2: Q3.3 92,42.45 92.32,42.45 97.1,37.67 97.1,31.43 95.74,30.07 95.5,30.07 J5.4 83.23,28.92 79.59,25.29 78.51,25.29 63.77,40.03 v1(47.39,40.03)
SAMPLING_LED: length 15.8
  Top w0.2: U1.27 52,26.51 50.17,24.68 R13.2
SD_CH0: length 30.1
  Top w0.2: U3.3 40.2,40.5 42.78,43.07 U1.11
SD_CLK: length 66.6
  Top w0.2: U1.29 53,24.85 50.63,22.48 49.72,22.48 40.09,32.11 28.61,32.11 27.63,33.08 27.63,34.26 27.23,34.66 17.49,34.66 14.46,37.7 14.46,42.26 14.9,42.7 U3.5
SD_CS: length 37.4
  Top w0.2: U3.2 42.43,39.4 45.09,36.74 49.95,36.74 51,37.79 U1.25
SD_D0: length 29.6
  Top w0.2: U1.10 31.51,43.57 30.18,44.9 U3.7
STM_RX: length 45.8
  Top w0.2: v1(41.74,28.81) 40.05,27.12 26.68,27.12 24.79,25.23 U2.8 ; U1.43 v1(51.63,45.57)
  Bottom w0.2: v1(51.63,45.57) 47.51,41.45 46.76,41.45 41.74,36.43 v1(41.74,28.81)
STM_TX: length 37.1
  Top w0.2: U1.42 55.6,45.07 54.9,44.37 54.9,40.08 54.97,40.01 54.97,25.69 50.96,21.68 43.22,21.68 U2.7
TX_OPTICAL: length 59.8
  Top w0.2: J5.3 94.35,31.46 94.35,31.27 R14.1 R15.1 ; U1.16 45.28,40.57 v1(46.31,39.55)
  Bottom w0.2: v1(46.31,39.55) 46.48,39.37 61.28,39.37 75.77,24.89 82.97,24.89 R15.1
Net-(C17-Pad1): length 13.6
  Top w0.2: 4.8,61.79 3.58,63 3.58,64.97 R11.1 ; 4.8,61.79 3.22,60.21 3.17,60.21 ; 4.8,61.79 SW3.1 SW3.2
Net-(D1-PadA): length 18
  Bottom w0.2: SW1.5 31.13,28.11 D1.A
Net-(J2-Pin_3): length 12.4
  Top w0.2: J2.3 99.85,34.5 98.96,35.39 91.79,35.39 90.6,36.58 R14.2
Net-(J3-Pin_1): length 10.3
  Top w0.2: J3.1 123.07,42 123.07,42.29 127.78,47 R17.2
Net-(LED1-A): length 4.4
  Bottom w0.2: LED1.2 R12.1
Net-(LED2-A): length 6.6
  Bottom w0.2: R13.1 50.67,12.92 LED2.2
Net-(Q1-B): length 11.7
  Top w0.2: Q1.2 85.73,44.83 79.5,51.06 R18.2
Net-(Q1-E): length 12
  Top w0.2: R20.1 84,50.16 R19.2
  Bottom w0.2: Q1.1 84.46,44.05 83.84,44.67 R20.1
Net-(Q2-D): length 36.4
  Bottom w0.2: R17.1 110.31,56.53 92.63,56.53 90.21,58.95 90.21,59.5 Q2.2
Net-(Q2-G): length 30.7
  Bottom w0.2: R15.2 84.5,37.68 82.7,39.48 ; 82.7,39.48 82.07,39.48 R16.1 ; 82.7,39.48 82.7,57.03 85.17,59.5 Q2.1
Net-(Q3-B): length 6.8
  Bottom w0.2: R20.2 94,48.9 93.27,48.17 Q3.2
Net-(R9-Pad1): length 4.4
  Top w0.2: R9.1 107.06,6.5 SW2.1
Net-(SW1-Pad1): length 14
  Top w0.2: SW1.1 13.03,8.32 22.74,8.32 23.12,8.7 U2.14
Net-(U1-PC14): length 13.2
  Top w0.2: C8.2 33.46,47.66 Y1.1 42.81,47.07 U1.3
Net-(U1-PC15): length 13
  Top w0.2: C9.2 33.33,46.49 Y1.2 42.31,46.57 U1.4
Net-(U1-PH3): length 25.6
  Top w0.2: U1.60 49,50.85 49.43,51.29 v1(49.52,51.29)
  Bottom w0.2: 54,73.5 54,55.77 v1(49.52,51.29)
Net-(U1-VBAT): length 95.4
  Top w0.2: v1(45.35,48.75) 45.35,48.35 U1.1
  Bottom w0.2: v1(45.35,48.75) 46.34,49.74 46.34,110.82 ; BT1.S+2 23.92,112.5 26.72,115.3 41.86,115.3 46.34,110.82 ; 46.34,110.82 48.02,112.5 BT1.S+1
Net-(U2-3V3): length 14.2
  Top w0.2: U2.12 13.93,13.78 SW1.2
Net-(U4-V0): length 7.2
  Top w0.2: R10.2 60,72.4 63.22,69.18 U4.3

## Text on the board
F.Silkscreen: ENGG3800 / TEAM 03 / EAAR
